# Altium PCB HYDRA_V2.1_NAV.PcbDoc
Units mm, origin at the board's own origin, x right, y up, seen from the top; angles counter-clockwise.
Board outline 50 x 45 mm, 4 copper layers (Top Layer, PWR, GND, Bottom Layer), stack 0.603 mm thick; 118 components, 80 nets, 457 pads, 102 vias.
Unrouted connection lines stored in the file: 106.
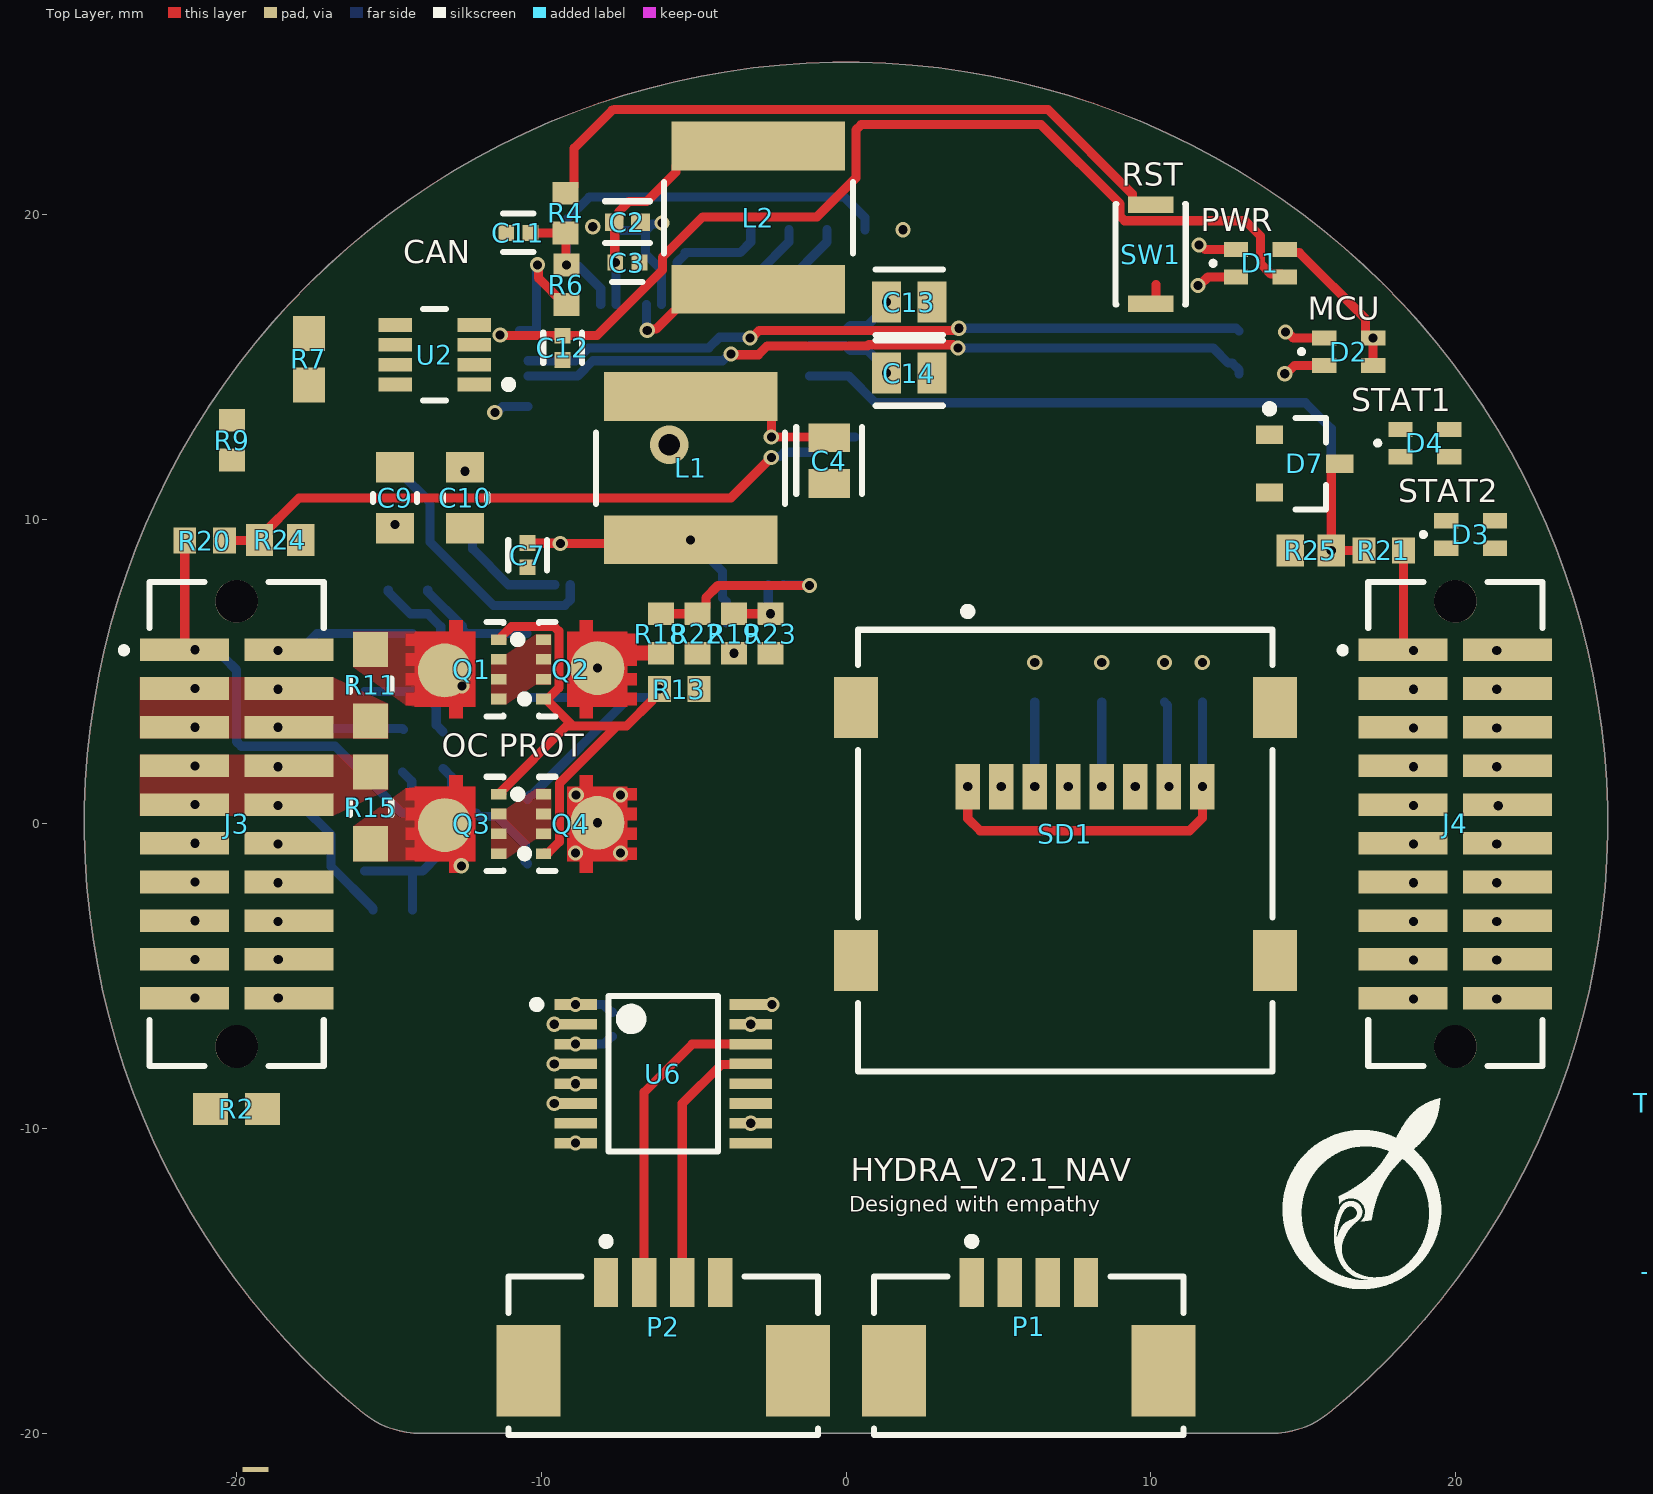
[diagram p0: Top Layer view]
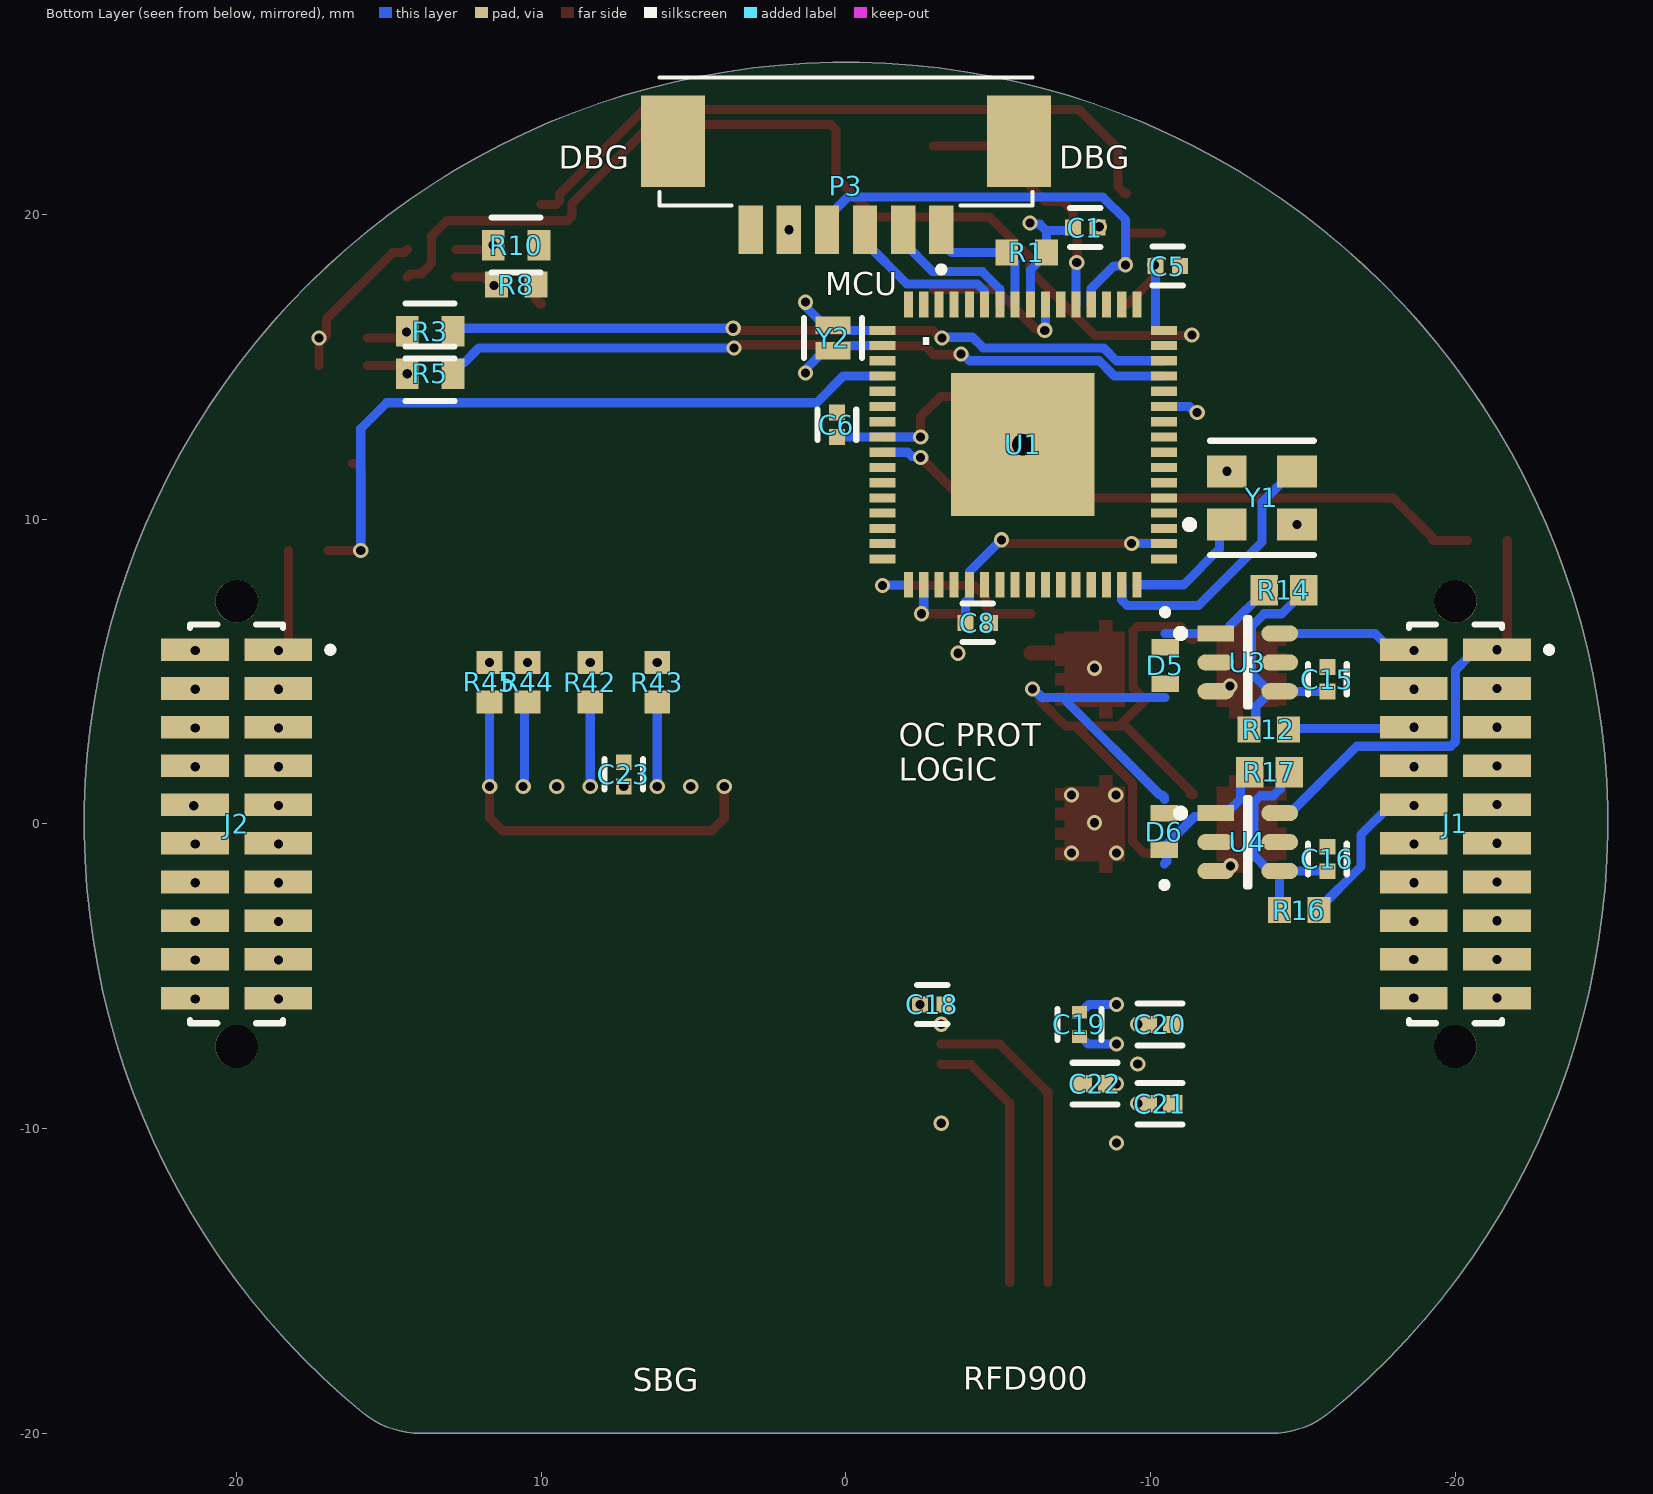
[diagram p1: Bottom Layer view, seen from below]
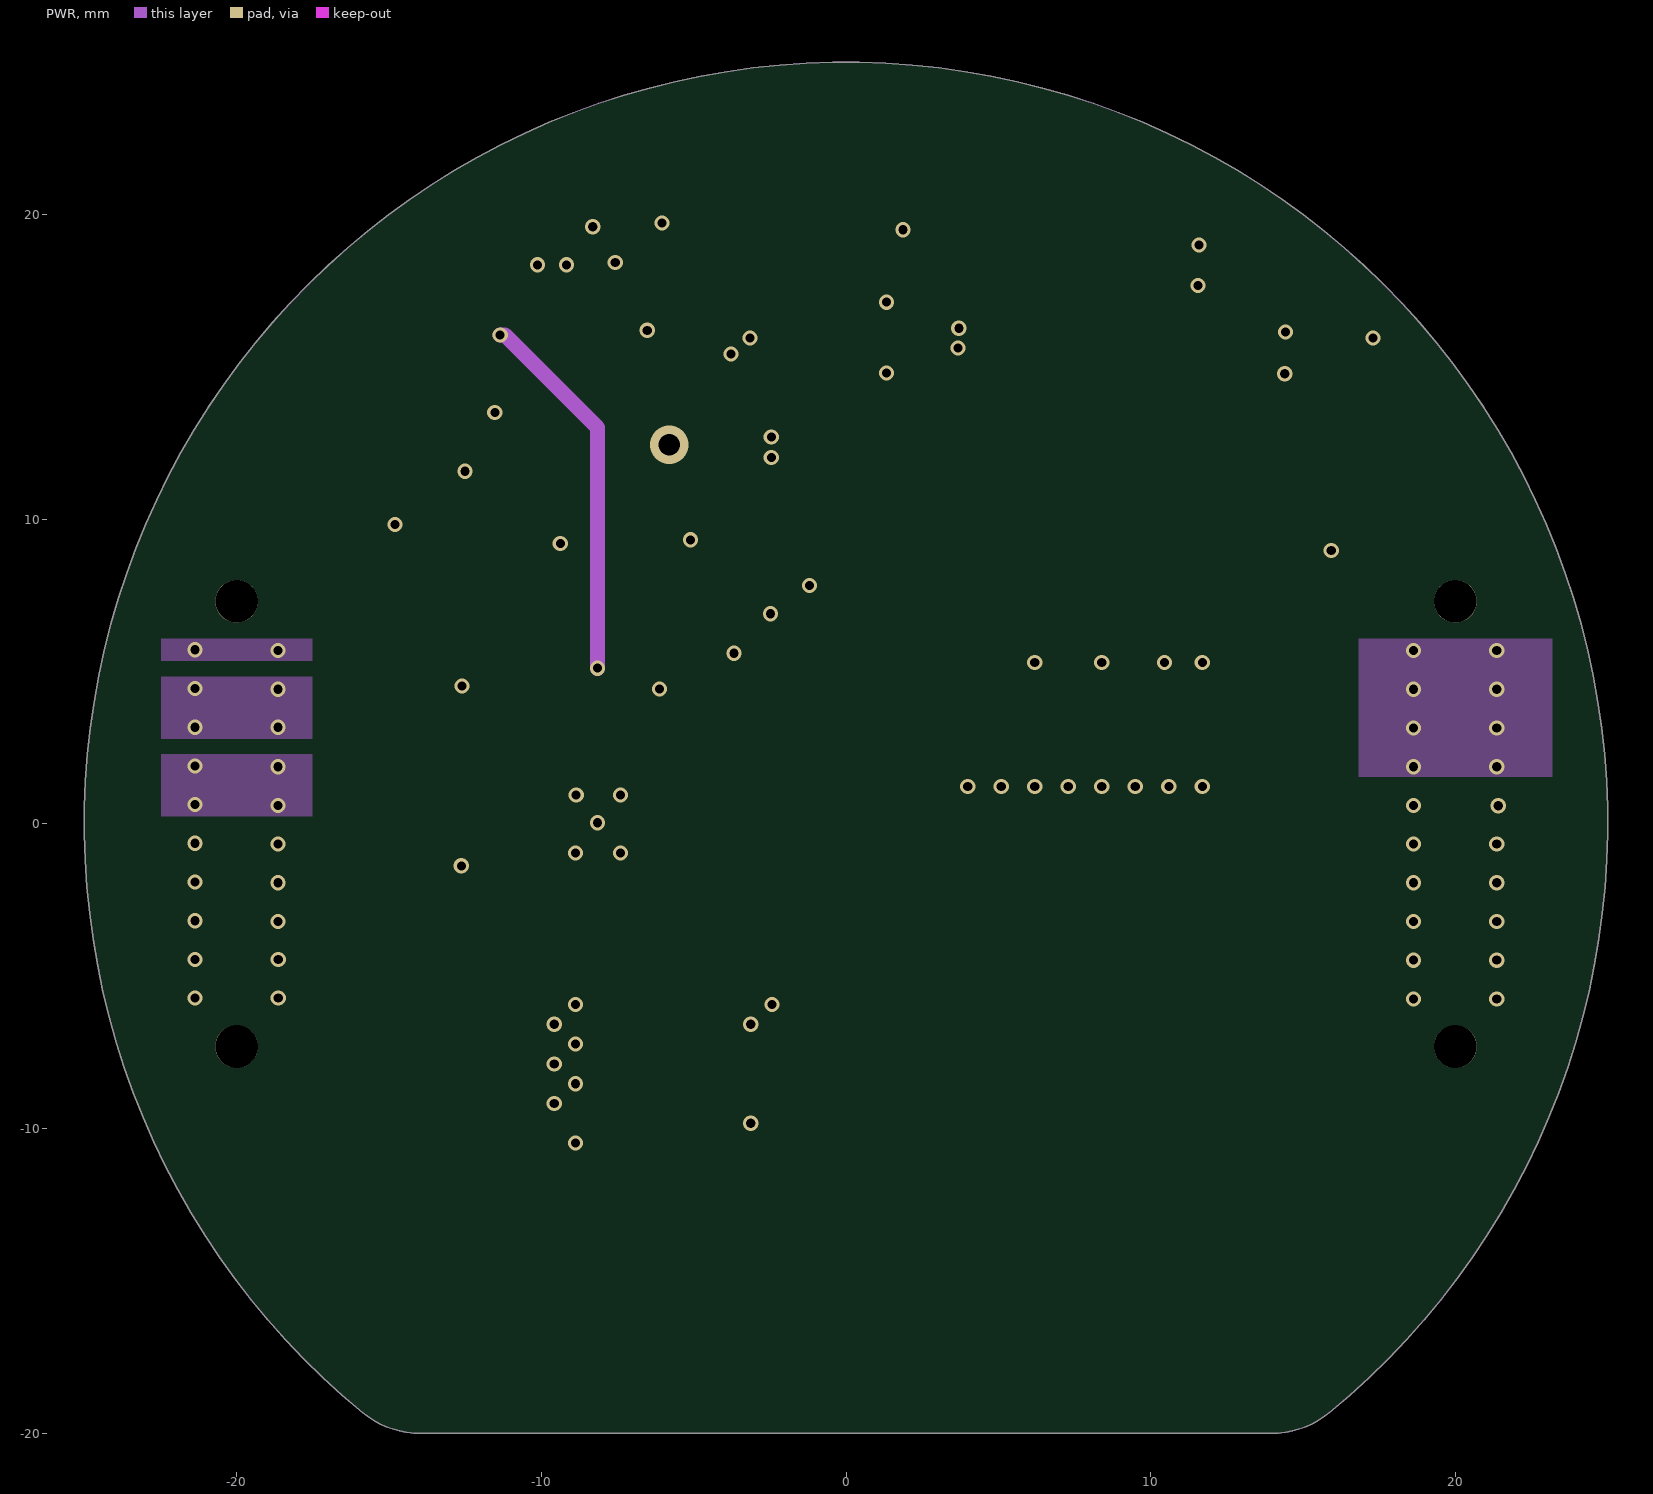
[diagram p2: PWR]
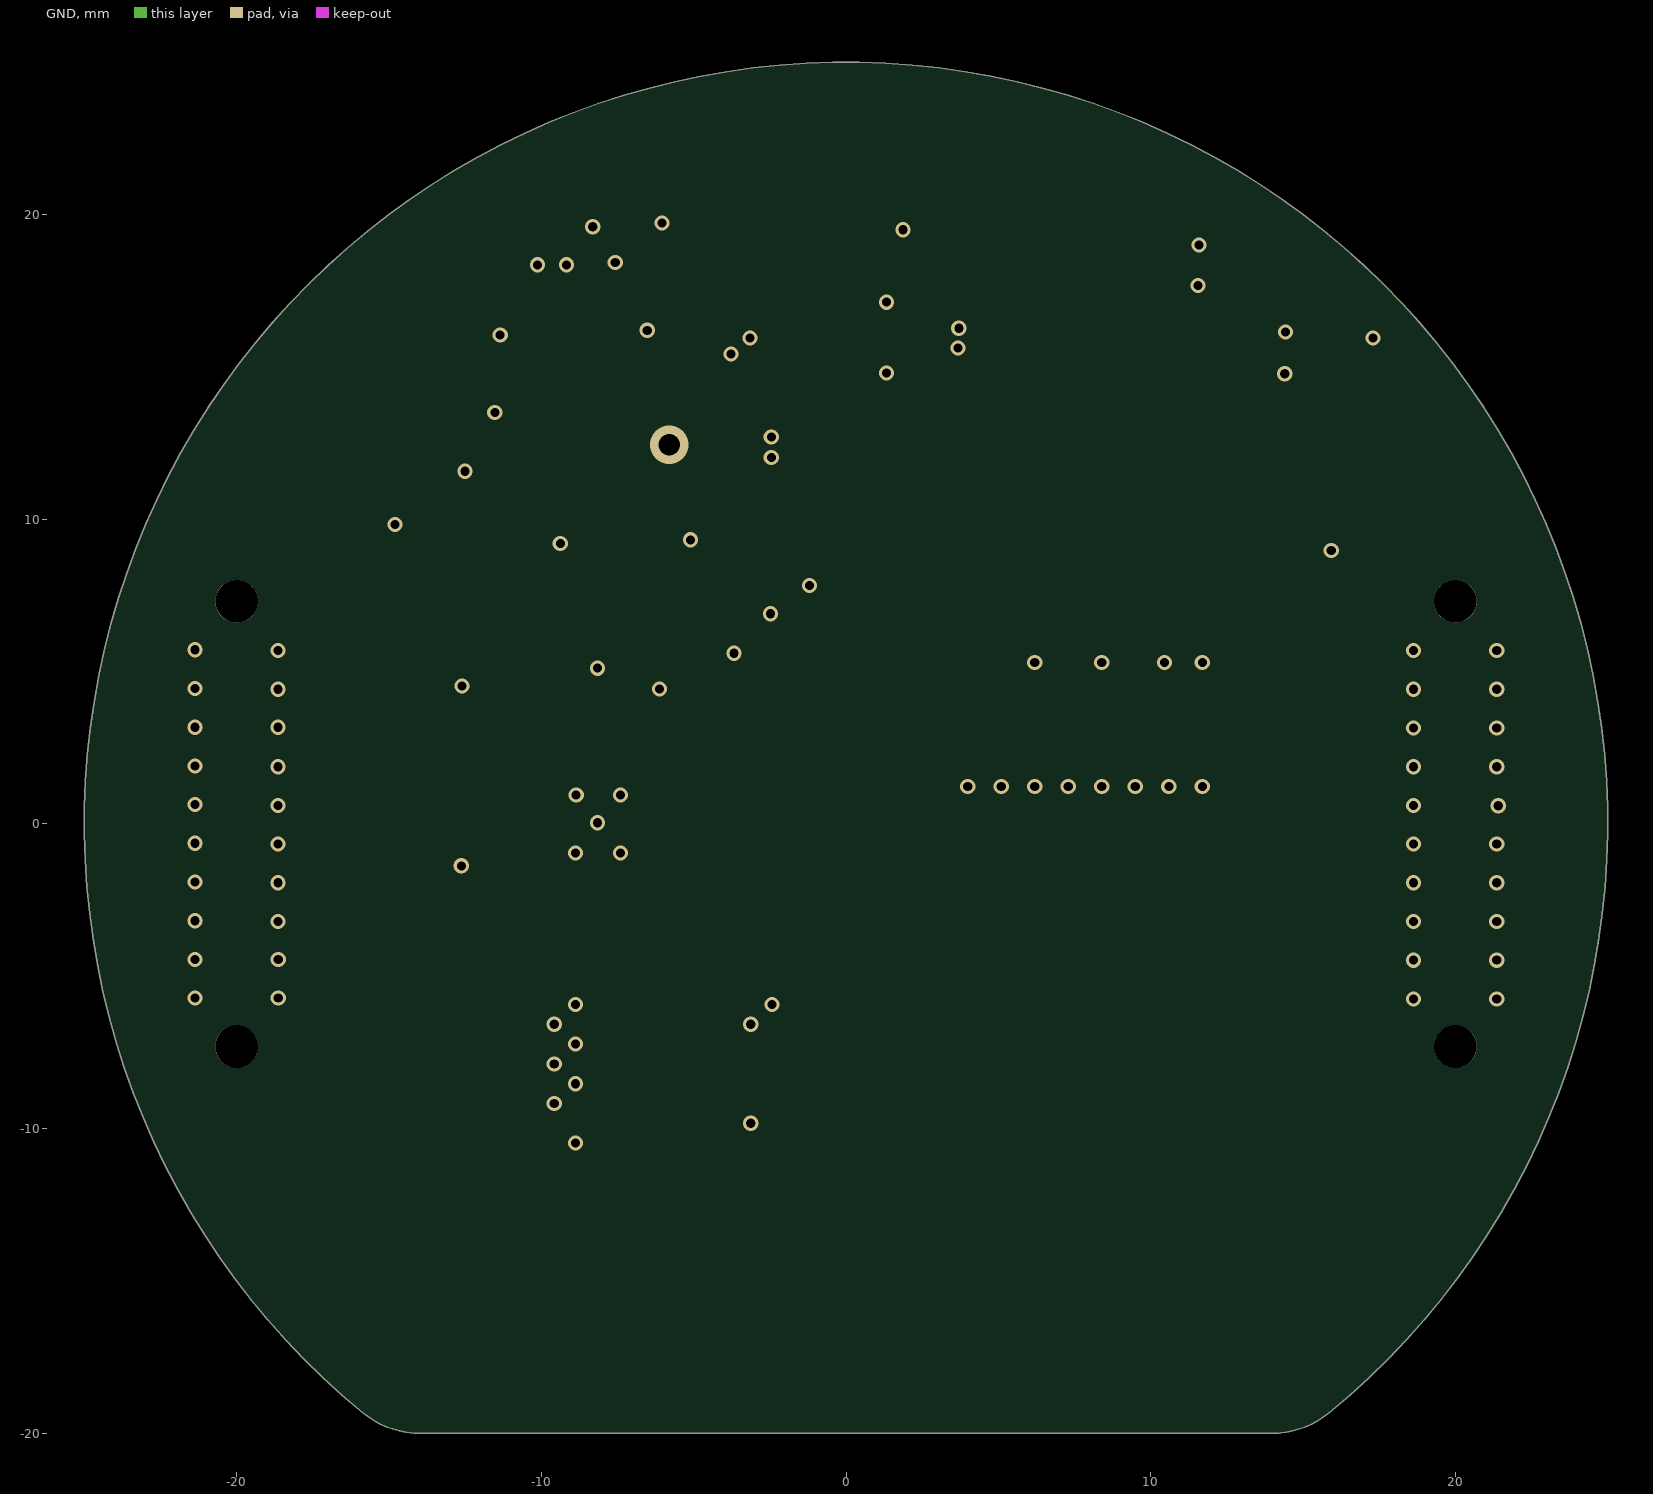
[diagram p3: GND]

## Layer stack, top to bottom
Top Solder: solder mask 0.0102, Solder Resist, Dk 3.5
Top Layer: signal copper 0.0356
Dielectric 2: prepreg 0.0711, PP-006, Dk 4.1
PWR: signal copper 0.035
Dielectric 1: dielectric 0.32, FR-4, Dk 4.8
GND: signal copper 0.035
Dielectric 3: prepreg 0.0711, PP-006, Dk 4.1
Bottom Layer: signal copper 0.0356
Bottom Solder: solder mask 0.0102, Solder Resist, Dk 3.5

## Board outline
-15.888,-19.298 ccw(c-13.96,-17) -13.96,-20 13.96,-20 ccw(c13.96,-17) 15.888,-19.298 15.868,-19.318 ccw(c0,0)

## Design rules (kind name [scope] priority, off if disabled: settings)
BoardOutlineClearance [All] p1: gap=0.2 ignorepadtopadclearanceinfootprint=FALSE
Clearance [All] p1: gap=0.102 ignorepadtopadclearanceinfootprint=FALSE except(0.127: Arc-Via Track-Via SMDPad-Via THPad-Via Via-Via Via-Fill Via-Poly Via-Region Via-Text; 0.25: Arc-Hole Track-Hole SMDPad-Hole THPad-Hole Via-Hole Fill-Hole Poly-Hole Region-Hole Text-Hole)
ComponentClearance [All] p1: gap=0.102 collisioncheckmode=3 verticalgap=0.102 showdistances=TRUE
DiffPairsRouting [All] p1: maxlimit=0.102 minlimit=0.102 mostfreqgap=0.102 toplayer_minwidth=0.102 toplayer_maxwidth=1816.048 toplayer_prefwidth=0.102 midlayer1_minwidth=0.102 midlayer1_maxwidth=1816.048 midlayer1_prefwidth=0.102 midlayer2_minwidth=0.102 midlayer2_maxwidth=1816.048 midlayer2_prefwidth=0.102 bottomlayer_minwidth=0.102 bottomlayer_maxwidth=1816.048 bottomlayer_prefwidth=0.102 maxuncoupledlength=12.7
Height [All] p1: minheight=0 maxheight=1816.048 prefheight=12.7
HoleSize [All] p1: absolutevalues=TRUE maxlimit=6.3 minlimit=0.2 maxpercent=80.000 minpercent=20.000
HoleToHoleClearance [All] p1: gap=0.25 allowstackedmicrovias=FALSE
MinimumAnnularRing [All] p1: minimumring=0.076
MinimumSolderMaskSliver [All] p1: minsoldermaskwidth=0
PlaneClearance [All] p1: clearance=0.102
PlaneConnect PlaneConnectPowerPads [InPadClass('PowerPads')] p1: planeconnectstyle=Direct reliefexpansion=0.508 reliefentries=4 reliefconductorwidth=0.254 reliefairgap=0.254
PlaneConnect [All] p2: pad.planeconnectstyle=Relief pad.reliefexpansion=0.3 pad.reliefentries=4 pad.reliefconductorwidth=0.102 pad.reliefairgap=0.102 via.planeconnectstyle=Direct via.reliefexpansion=0.3 via.reliefentries=4 via.reliefconductorwidth=0.127 via.reliefairgap=0.127
PolygonConnect PolygonConnectPowerPads [All vs (InPadClass('PowerPads'))] p1: connectstyle=Direct reliefconductorwidth=0.254 reliefentries=4 polygonreliefangle="90 Angle" airgapwidth=0.254
PolygonConnect [All] p2: thpad.connectstyle=Relief thpad.reliefconductorwidth=0.102 thpad.reliefentries=4 thpad.polygonreliefangle="90 Angle" thpad.airgapwidth=0.102 smdpad.connectstyle=Direct smdpad.reliefconductorwidth=0.102 smdpad.reliefentries=4 smdpad.polygonreliefangle="90 Angle" smdpad.airgapwidth=0.102 via.connectstyle=Direct via.reliefconductorwidth=0.127 via.reliefentries=4 via.polygonreliefangle="90 Angle" via.airgapwidth=0.127
RoutingVias [All] p1: holewidth=0.2 width=0.45 viastyle="Through Hole" minholewidth=0.2 minwidth=0.45 maxholewidth=6.3 maxwidth=6.55
SilkToSilkClearance [All] p1: silktosilkclearance=0
SilkToSolderMaskClearance [IsPad] p1: minsilkscreentomaskgap=0.102 clearancetoexposedcopper=TRUE
SolderMaskExpansion [All] p1: expansion=0.075 istentingtop=FALSE
Width [All] p1: maxlimit=1816.048 minlimit=0.102 preferedwidth=0.102
20 further rules are at their usual default settings.

## Classes and differential pairs
component class SD: C23 R42 R43 R44 R45 SD1
component class SBG: C18 C19 C20 C21 C22 Q7 Q8 R38 R39 R40 R41 R46 R47 U6
component class OC_PROT: C15 C16 D5 D6 D8 Q1 Q2 Q3 Q4 R9 R11 R12 R13 R14 R15 R16 R17 TP9 TP10 TP14 U3 U4
component class MCU_PINOUT: C1 C2 C3 C4 C5 C6 C7 C8 C9 C10 C11 C12 C13 C14 C17 D1 D2 D3 D4 D7 L1 L2 P3 Q5 Q6 R1 R2 R3 R4 R5 R6 R7 R8 R10 R18 R19 R20 R21 R22 R23 R24 R25 R26 R27 R28 R29 R30 R31 R32 R33 R34 R35 R36 R37 SW1 TP1 TP2 TP3 TP4 TP5 TP6 TP7 TP8 TP12 TP13 U1 U2 U5 Y1 Y2
component class HYDRA_V2.1_NAV: J1 J2 J3 J4 P1 P2
differential pair CAN1_R: +CAN1_R_P -CAN1_R_N
differential pair CAN0_R: +CAN0_R_P -CAN0_R_N

## Components (designator, comment, footprint, x,y, rotation, side; value= is the part's Value field where it differs from the comment)
C1 "C0402C104K8PACTU" FP-C0402-BB-MFG -7.85,19.575 r180 bottom value="0.10 μF"
C2 "GRM155R60J475ME47D" FP-GRM155-0_1-IPC_B -7.175,19.75 r180 top
C3 "C0402C104K8PACTU" FP-C0402-BB-MFG -7.175,18.425 r0 top value="0.10 μF"
C4 "C0805C106K8PACTU" FP-C0805C-DG-MFG -0.55,11.925 r270 top value=10uF
C5 "C0402C104K8PACTU" FP-C0402-BB-MFG -10.563,18.312 r180 bottom value="0.10 μF"
C6 "C0402C104K8PACTU" FP-C0402-BB-MFG 0.3,13.1 r90 bottom value="0.10 μF"
C7 "C0402C104K8PACTU" FP-C0402-BB-MFG -10.45,8.825 r270 top value="0.10 μF"
C8 "C0402C104K8PACTU" FP-C0402-BB-MFG -4.325,6.6 r180 bottom value="0.10 μF"
C9 "08051A6R8CAT2A" FP-0805-L_2_01_0_2-W_1_25-MFG -14.8,10.7 r90 top
C10 "08051A6R8CAT2A" FP-0805-L_2_01_0_2-W_1_25-MFG -12.5,10.7 r270 top
C11 "C0402C104K8PACTU" FP-C0402-BB-MFG -10.75,19.4 r180 top value="0.10 μF"
C12 "C0402C104K8PACTU" FP-C0402-BB-MFG -9.3,15.625 r90 top value="0.10 μF"
C13 "C0805C180J5GACTU" FP-C0805C-DN-MFG 2.075,17.125 r0 top value="18 pF"
C14 "C0805C180J5GACTU" FP-C0805C-DN-MFG 2.075,14.8 r0 top value="18 pF"
C15 "C0402C104K8PACTU" FP-C0402-BB-MFG -15.8,4.75 r90 bottom value="0.10 μF"
C16 "C0402C104K8PACTU" FP-C0402-BB-MFG -15.8,-1.15 r90 bottom value="0.10 μF"
C17 "C0402C104K8PACTU" FP-C0402-BB-MFG -34.588,-13.879 r90 top value="0.10 μF"
C18 "C0402C104K8PACTU" FP-C0402-BB-MFG -2.825,-5.925 r180 bottom value="0.10 μF"
C19 "C1005X5R1A475K050BC" FP-C1005-050-0_15-MFG -7.66,-6.582 r90 bottom
C20 "C1005X5R1V334K050BC" FP-C1005-050-0_05-IPC_B -10.31,-6.582 r180 bottom
C21 "C1005X5R1V334K050BC" FP-C1005-050-0_05-IPC_B -10.31,-9.182 r180 bottom
C22 "C1005X5R1V334K050BC" FP-C1005-050-0_05-IPC_B -8.175,-8.525 r0 bottom
C23 "C0402C104K8PACTU" FP-C0402-BB-MFG 7.295,1.625 r90 bottom value="0.10 μF"
D1 "150066RG54050" WL-SBCD_0606 13.6,18.4 r90 top locked
D2 "150066RG54050" WL-SBCD_0606 16.5,15.5 r90 top locked
D3 "150066RG54050" WL-SBCD_0606 20.5,9.5 r90 top locked
D4 "150066RG54050" WL-SBCD_0606 19,12.5 r90 top locked
D5 "TS4148RCG" TS4148RCG-Footprint-1 -10.475,5.199 r270 bottom
D6 "TS4148RCG" TS4148RCG-Footprint-1 -10.45,-0.25 r90 bottom
D7 "BZX84-A3V3,215" SOT95P230X110-3N 15.05,11.825 r0 top
D8 "TS4148RCG" TS4148RCG-Footprint-1 48.657,-9.396 r0 top
J1 "SFML-110-02-L-D-A" SFML-110-02-L-D-A-Footprint-1 -20,0 r270 bottom locked
J2 "SFML-110-02-L-D-A" SFML-110-02-L-D-A-Footprint-1 20,0 r270 bottom locked
J3 "TFML-110-02-L-D-A" TFML-110-02-L-D-A-Footprint-1 -20,0 r270 top locked
J4 "TFML-110-02-L-D-A" TFML-110-02-L-D-A-Footprint-1 20,0 r270 top locked
L1 "NR6028T100M" FP-NR6028-MFG -5.1,11.675 r90 top
L2 "NR6028T100M" FP-NR6028-MFG -2.875,19.9 r90 top
P1 "53261-0471" MOLEX-53261-0471_V 6,-16.5 r0 top
P2 "53261-0471" MOLEX-53261-0471_V -6,-16.5 r0 top
P3 "0532610671" 0532610671-Footprint-1 0,19.5 r0 bottom
Q1 "SISH615ADN-T1-GE3" SISH615ADN-T1-GE3-Footprint-1 -12.8,5.037 r90 top
Q2 "SISH615ADN-T1-GE3" SISH615ADN-T1-GE3-Footprint-1 -8.525,5.112 r270 top
Q3 "SISH615ADN-T1-GE3" SISH615ADN-T1-GE3-Footprint-1 -12.8,-0.038 r90 top
Q4 "SISH615ADN-T1-GE3" SISH615ADN-T1-GE3-Footprint-1 -8.525,0.038 r270 top
Q5 "BSS84AKS,115" NXP-SOT363_L 151.462,-16.146 r0 top
Q6 "BSS84AKS,115" NXP-SOT363_L 112.585,-16.146 r0 top
Q7 "BSS138W-7-F" DIOD-SOT323-3_V -19.925,-26.05 r270 top
Q8 "BSS138W-7-F" DIOD-SOT323-3_V -22.375,-26.05 r270 top
R1 "ERJ3EKF1002V" RESC1609X55X30LL15T15 -5.925,18.75 r180 bottom
R2 "ERJ-3EKF1200V" RESC1609X55X30ML15T15 -20,-9.35 r180 top
R3 "CRCW060351R0FKEA" FP-CRCW0603-e3-MFG 13.65,16.175 r180 bottom
R4 "ERJ-3EKF3300V" RESC1608X55X30LL15T15#1 -9.2,20.05 r90 top
R5 "CRCW060351R0FKEA" FP-CRCW0603-e3-MFG 13.65,14.775 r180 bottom
R6 "ERJ3EKF1002V" RESC1609X55X30LL15T15 -9.175,17.7 r90 top
R7 "ERJ-3EKF1200V" RESC1609X55X30ML15T15 -17.625,15.25 r90 top
R8 "ERJ-3EKF3300V" RESC1608X55X30LL15T15#1 10.825,17.7 r180 bottom
R9 "ERJ3EKF1002V" RESC1609X55X30LL15T15 -20.15,12.6 r90 top
R10 "CRCW060351R0FKEA" FP-CRCW0603-e3-MFG 10.825,19 r180 bottom
R11 "ERJ-6DSFR10V" FP-ERJ6D-MFG -15.6,4.55 r90 top
R12 "ERJ3EKF1002V" RESC1609X55X30LL15T15 -13.875,3.1 r180 bottom
R13 "ERJ3EKF1002V" RESC1609X55X30LL15T15 -5.475,4.425 r180 top
R14 "RT0603BRD071ML" RESC1608X55X30NL20T20 -14.375,7.675 r180 bottom
R15 "ERJ-6DSFR10V" FP-ERJ6D-MFG -15.6,0.525 r270 top
R16 "ERJ3EKF1002V" RESC1609X55X30LL15T15 -14.875,-2.825 r180 bottom
R17 "RT0603BRD071ML" RESC1608X55X30NL20T20 -13.9,1.7 r180 bottom
R18 "ERJ3EKF1002V" RESC1609X55X30LL15T15 -6.075,6.25 r270 top
R19 "ERJ3EKF1002V" RESC1609X55X30LL15T15 -3.675,6.25 r270 top
R20 "ERJ3EKF1002V" RESC1609X55X30LL15T15 -21.05,9.3 r180 top
R21 "ERJ3EKF1002V" RESC1609X55X30LL15T15 17.65,8.975 r0 top
R22 "ERJ3EKF1002V" RESC1609X55X30LL15T15 -4.875,6.25 r90 top
R23 "ERJ3EKF1002V" RESC1609X55X30LL15T15 -2.475,6.25 r90 top
R24 "CRCW06032K70JNEA" RESC1609X50X30ML10T20 -18.575,9.325 r180 top
R25 "CRCW06032K70JNEA" RESC1609X50X30ML10T20 15.25,8.975 r0 top
R26 "ERJ3EKF1002V" RESC1609X55X30LL15T15 160.913,-15.721 r90 top
R27 "ERJ-3EKF1001V" RESC1608X55X30LL15T15#2 155.062,-15.671 r90 top
R28 "ERJ3EKF1002V" RESC1609X55X30LL15T15 139.062,-15.721 r90 top
R29 "ERJ3EKF56R0V" RESC1608X55X30NL15T15 145.062,-15.921 r90 top
R30 "ERJ-3EKF1001V" RESC1608X55X30LL15T15#2 127.886,-15.671 r90 top
R31 "ERJ3EKF56R0V" RESC1608X55X30NL15T15 134.486,-15.296 r0 top
R32 "ERJ3EKF1002V" RESC1609X55X30LL15T15 122.036,-15.721 r90 top
R33 "ERJ-3EKF1001V" RESC1608X55X30LL15T15#2 116.211,-15.671 r90 top
R34 "ERJ3EKF1002V" RESC1609X55X30LL15T15 100.21,-15.721 r90 top
R35 "ERJ3EKF56R0V" RESC1608X55X30NL15T15 106.185,-15.921 r90 top
R36 "ERJ-3EKF1001V" RESC1608X55X30LL15T15#2 69.883,-15.671 r90 top
R37 "ERJ3EKF56R0V" RESC1608X55X30NL15T15 75.884,-15.921 r90 top
R38 "ERJ-3EKF1001V" RESC1608X55X30LL15T15#2 -1.1,-23.9 r90 top
R39 "ERJ3EKF1801V" RESC1608X55X30LL15T15#2 -1.725,-25.657 r0 top
R40 "ERJ-3EKF1001V" RESC1608X55X30LL15T15#2 -19.375,-22.075 r270 top
R41 "ERJ3EKF1002V" RESC1609X55X30LL15T15 -19.925,-23.85 r0 top
R42 "ERJ3EKF1002V" RESC1609X55X30LL15T15 8.395,4.65 r90 bottom
R43 "ERJ3EKF1002V" RESC1609X55X30LL15T15 6.195,4.65 r90 bottom
R44 "ERJ3EKF1002V" RESC1609X55X30LL15T15 10.45,4.65 r90 bottom
R45 "ERJ3EKF1002V" RESC1609X55X30LL15T15 11.695,4.65 r90 bottom
R46 "0402 JUMPER 0 OHM" RESC1005X40X25NL05T05 0.45,-23.907 r180 top
R47 "0402 JUMPER 0 OHM" RESC1005X40X25NL05T05 0.45,-24.857 r180 top
SD1 "47219-2001" MOLX-47219-2001-8_V 7.2,-0.325 r0 top
SW1 "KXT331LHS" FP-KXT331LHS-MFG 10,18.7 r270 top locked
TP1 "TPAD6R" TP06R 81.584,-15.046 r90 top
TP2 "TPAD6R" TP06R 87.034,-15.046 r90 top
TP3 "TPAD6R" TP06R 50.757,-15.046 r90 top
TP4 "TPAD6R" TP06R 56.708,-15.046 r90 top
TP5 "TPAD6R" TP06R 38.832,-15.046 r90 top
TP6 "TPAD6R" TP06R 44.782,-15.046 r90 top
TP7 "TPAD6R" TP06R 26.931,-15.046 r90 top
TP8 "TPAD6R" TP06R 32.881,-15.046 r90 top
TP9 "TPAD6R" TP06R 41.382,-9.171 r90 top
TP10 "TPAD6R" TP06R 34.157,-9.171 r90 top
TP12 "TPAD6R" TP06R 92.984,-15.046 r90 top
TP13 "TPAD6R" TP06R 62.658,-15.046 r90 top
TP14 "TPAD6R" TP06R 26.931,-9.171 r90 top
U1 "SAM_E51_64VQFN" SAM_E51_64VQFN-Footprint-1 -2.05,7.85 r180 bottom
U2 "TCAN330GDCNR" FP-DCN0008A-MFG -13.5,15.4 r180 top
U3 "TLV1805DBVR" FP-DBV0006A-IPC_C -13.184,5.304 r180 bottom
U4 "TLV1805DBVR" FP-DBV0006A-IPC_C -13.184,-0.596 r180 bottom
U5 "TCAN330GDCNR" FP-DCN0008A-MFG -29.875,-13.575 r0 top
U6 "MAX3232EUE+T" FP-U16-1-MFG -6,-8.2 r0 top
Y1 "ABM8-48.000MHZ-B2-T" FP-ABM8-MFG -13.65,10.7 r180 bottom
Y2 "ECS-.327-12.5-1210-TR" FP-ECX-1210-MFG 0.425,15.95 r270 bottom
